# KiCad board PCBA-EN16.kicad_pcb
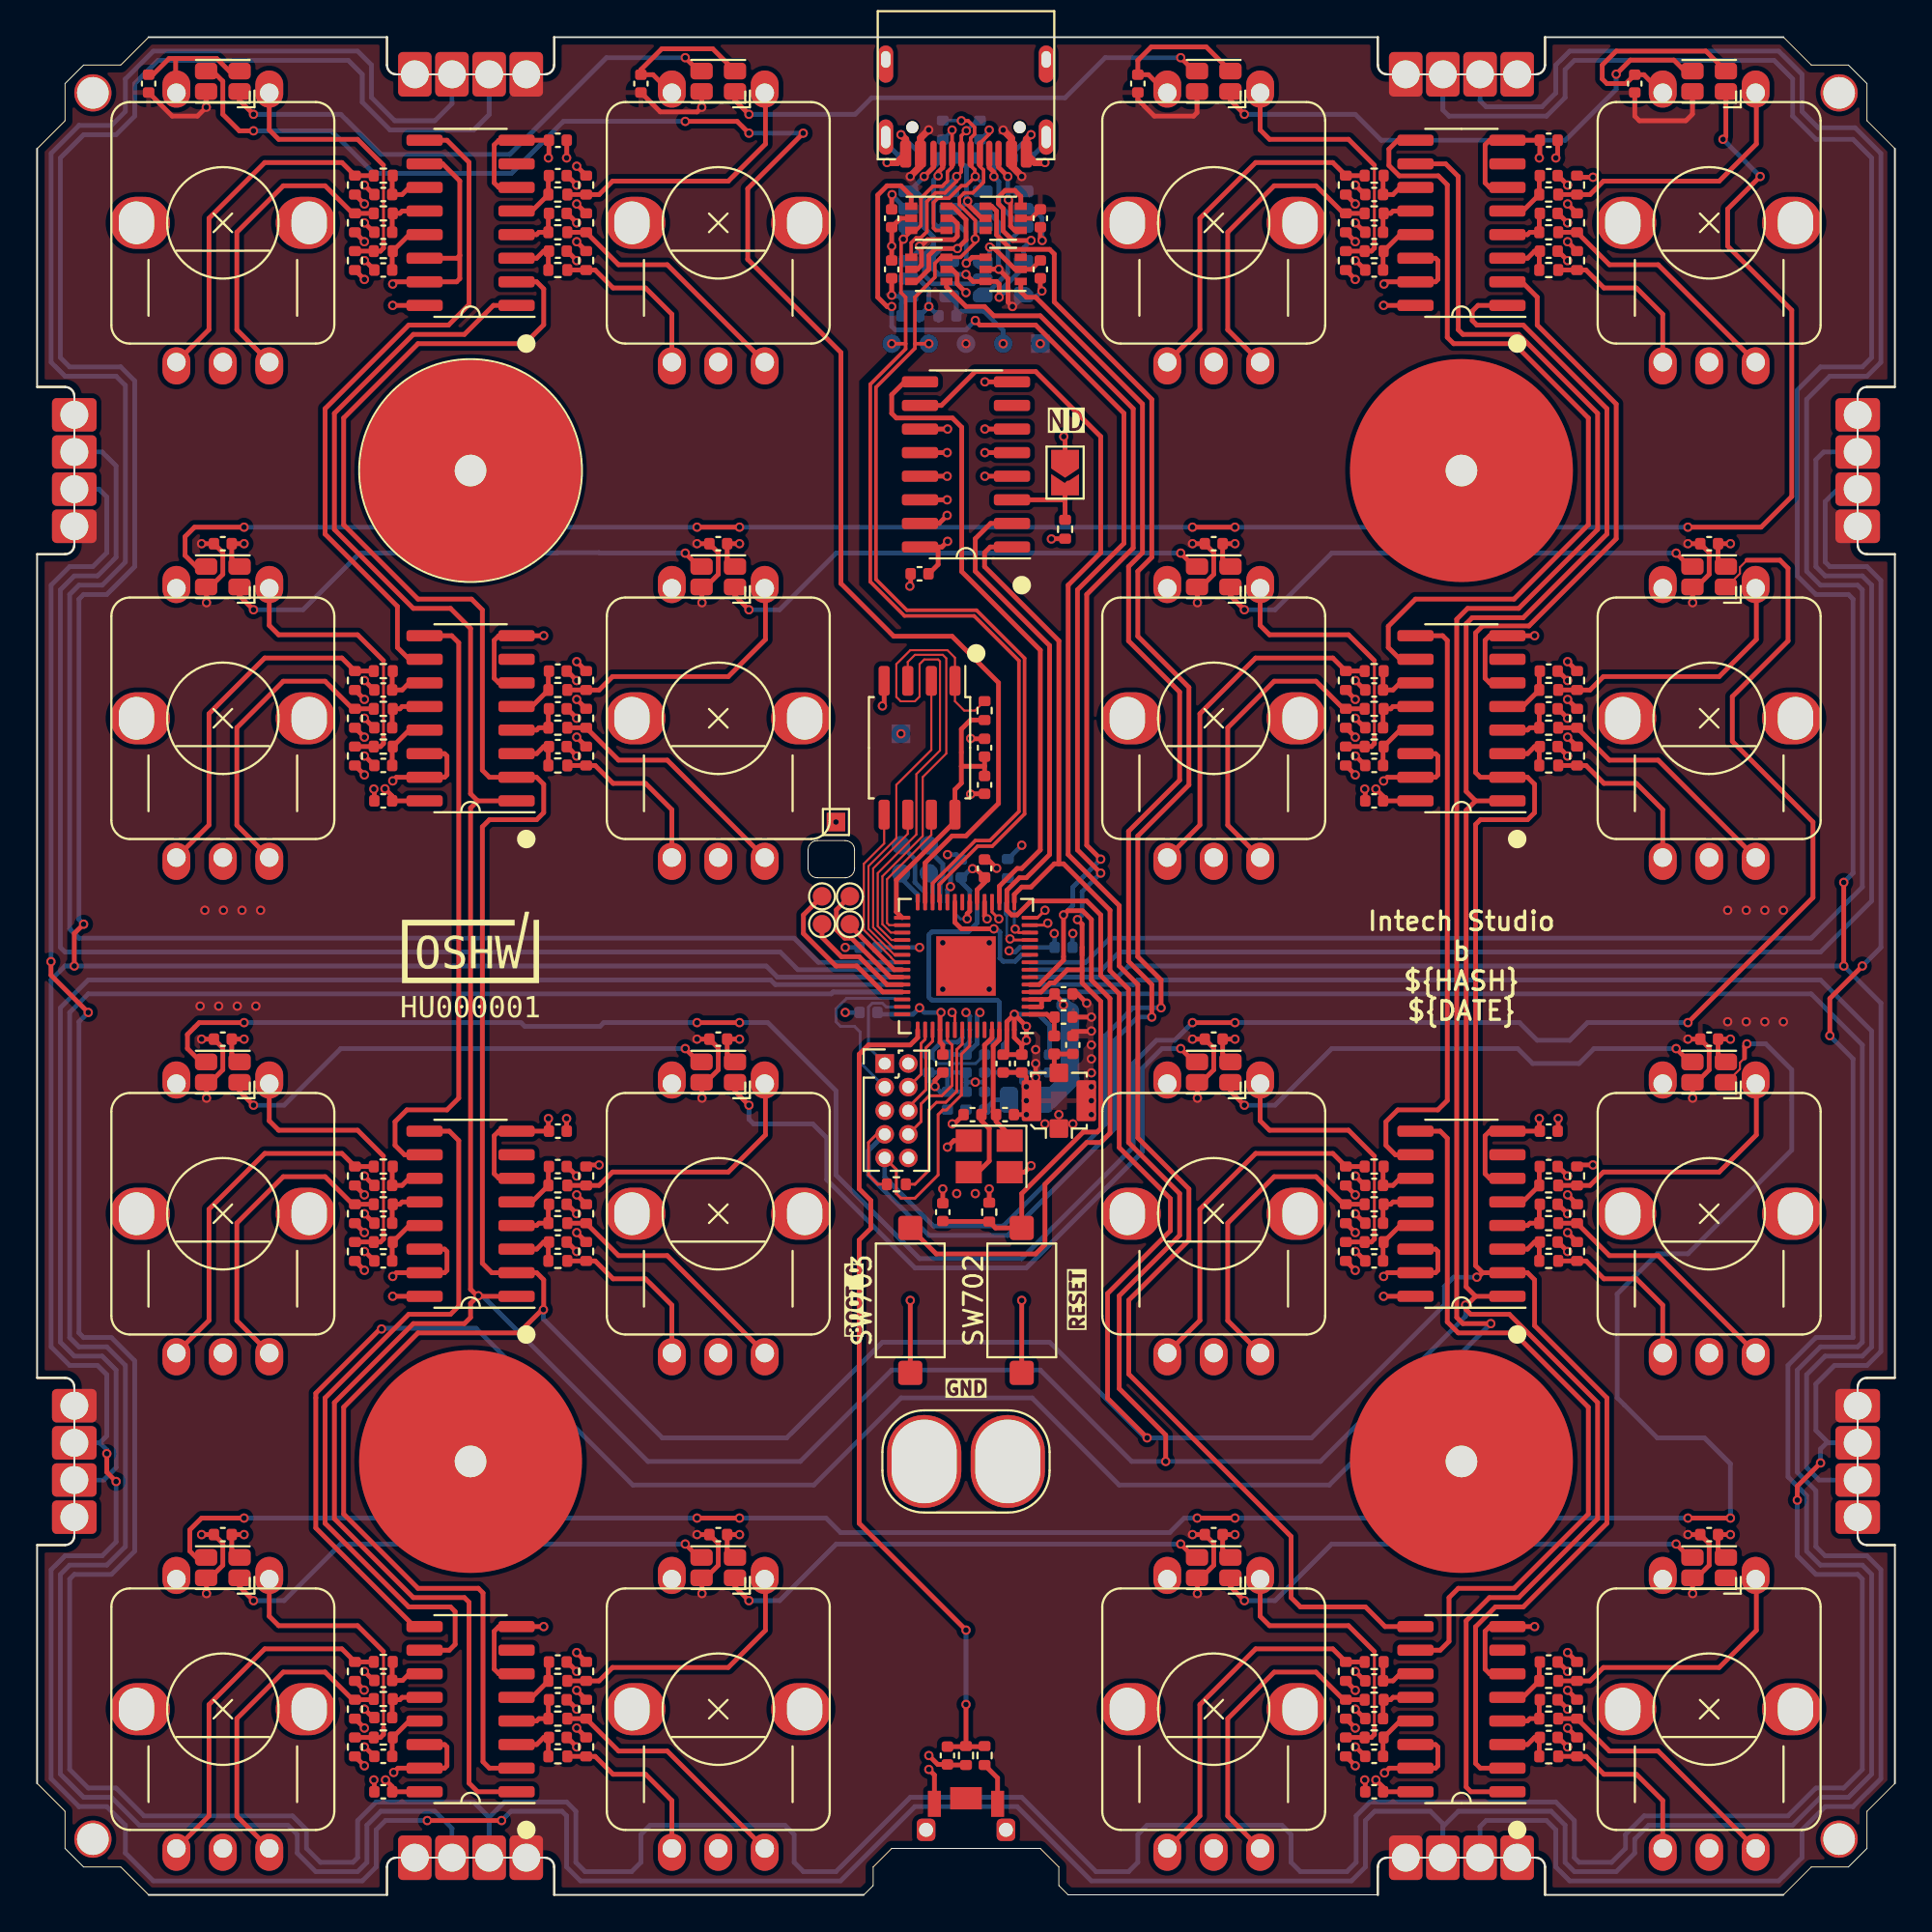
[diagram p0: board, top side]
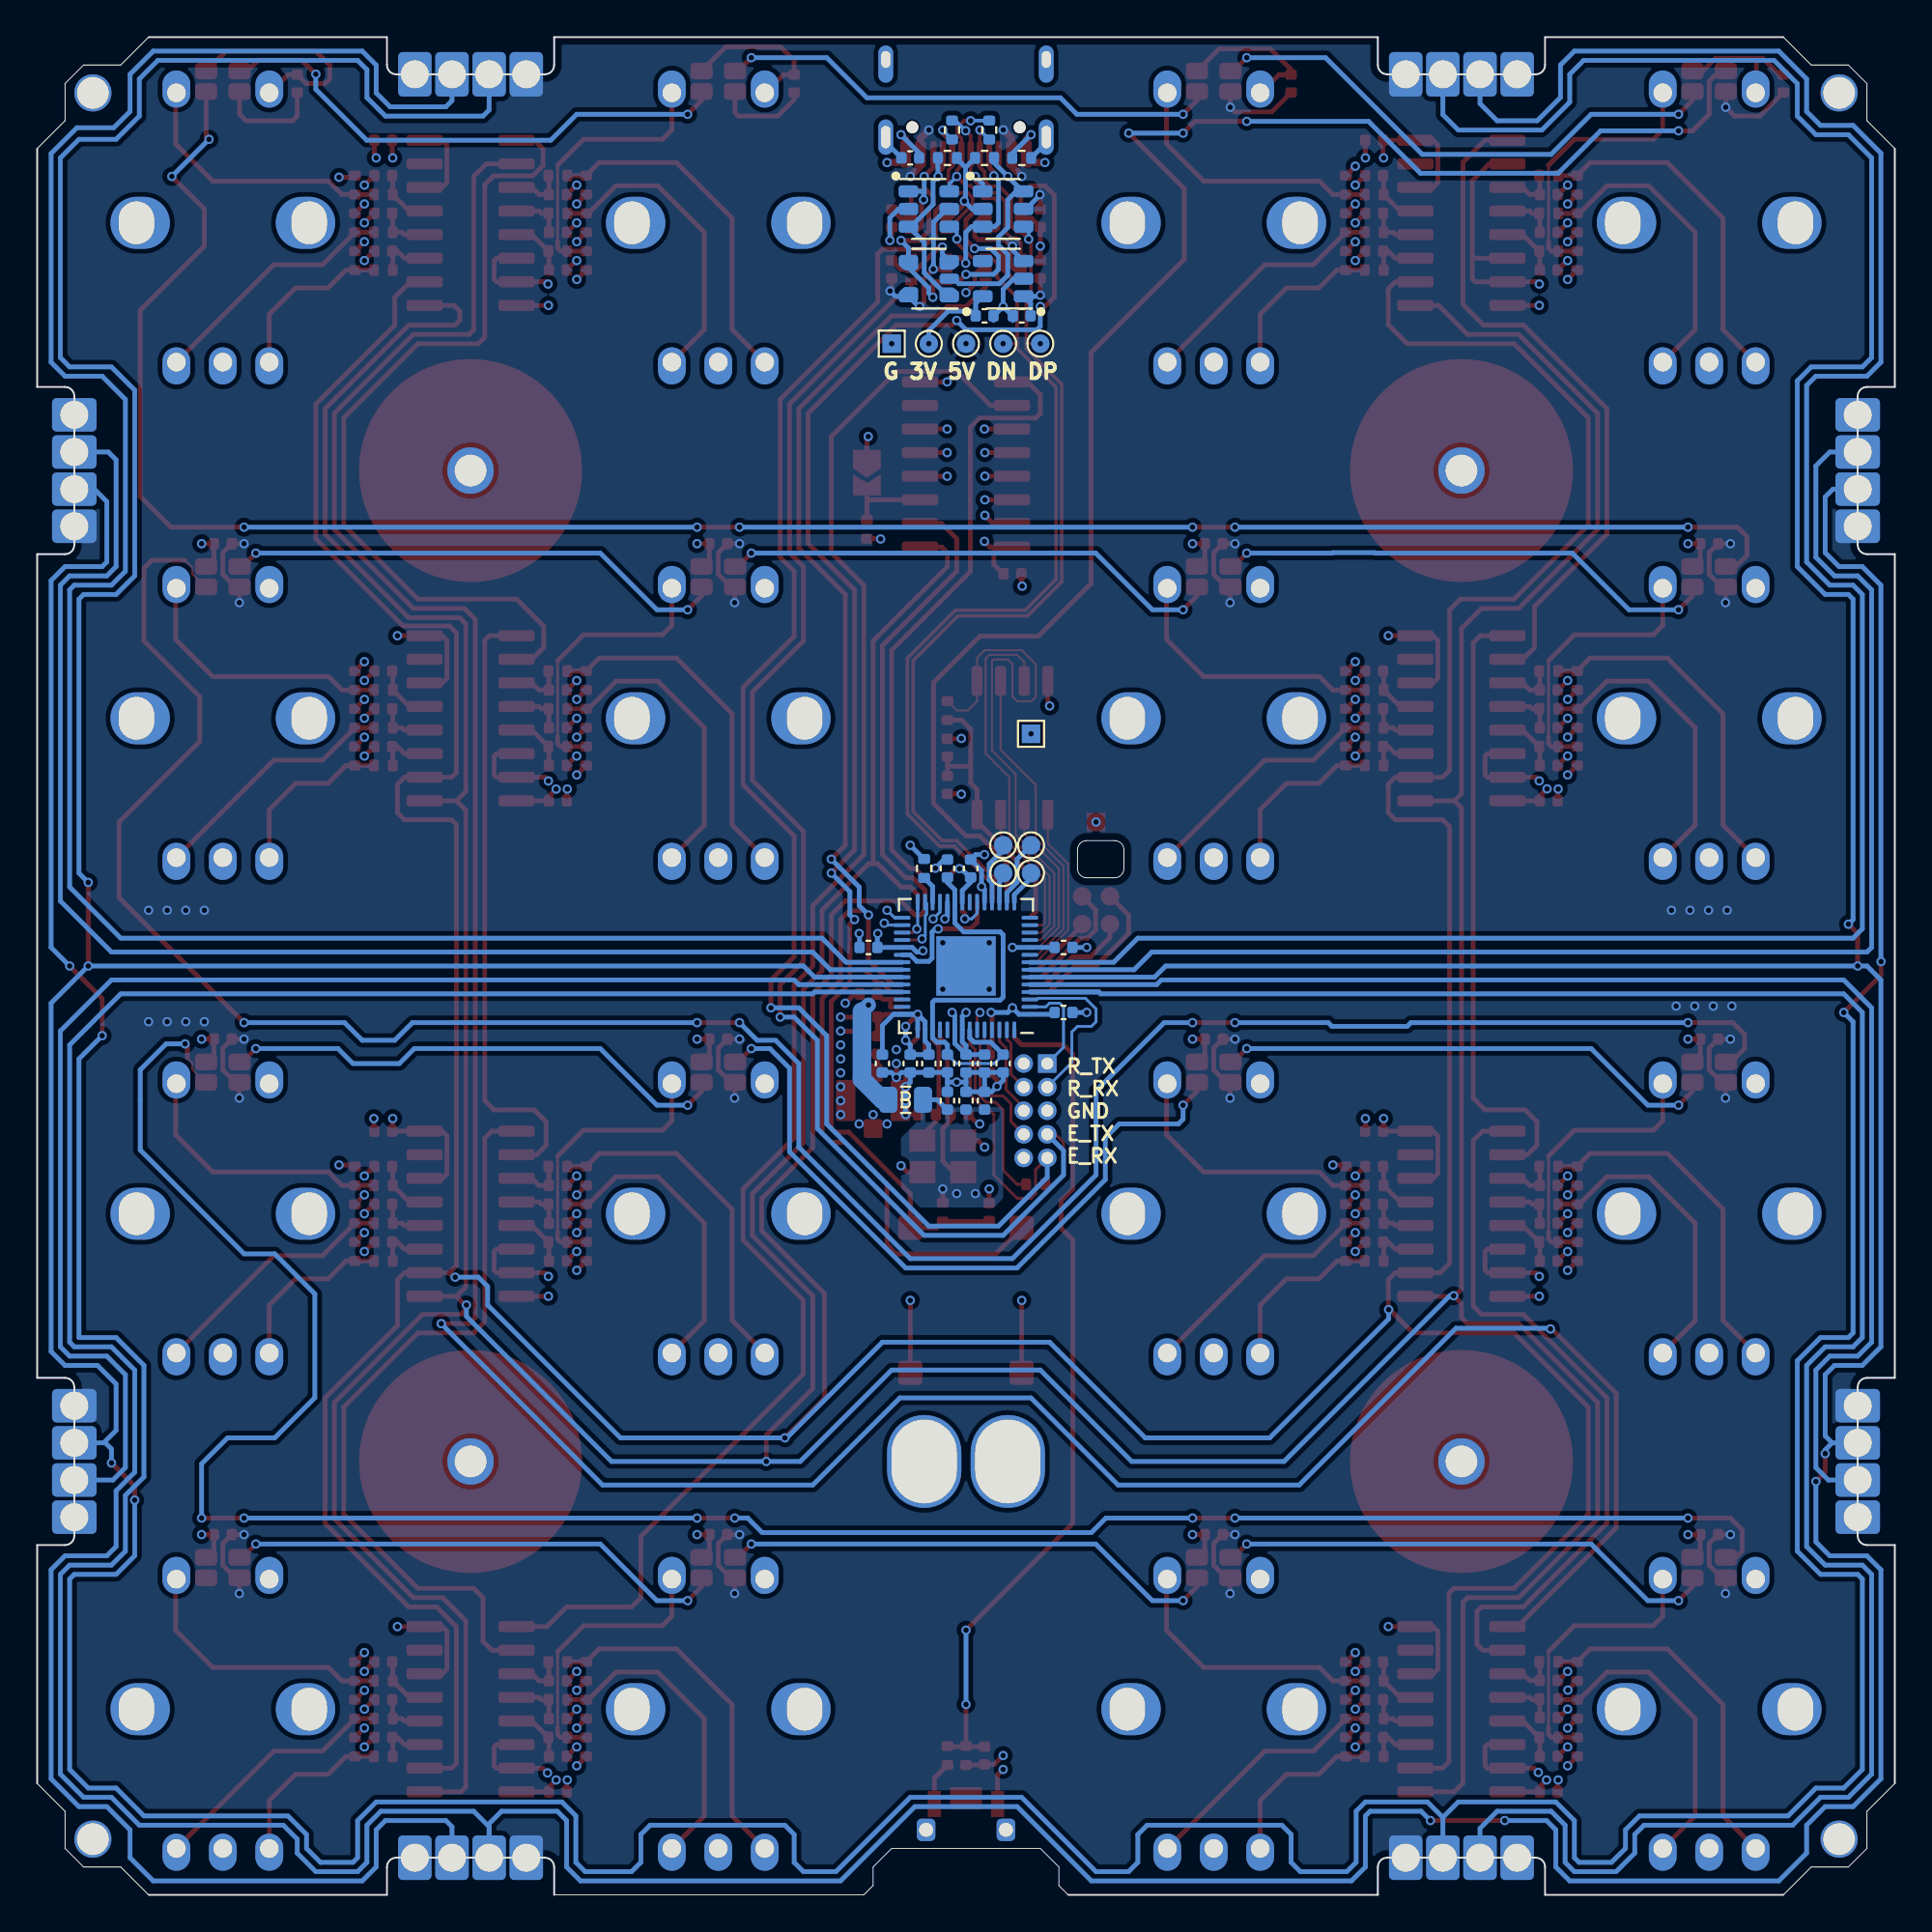
[diagram p1: board, bottom side, seen from below]

Outline 100 x 100 mm; copper layers: Top, In1.Cu, In2.Cu, Bottom. Coordinates in mm from the lower left corner of the outline.
Outline path: 0,94 1.5,95.5 1.5,97.5 2.5,98.5 4.5,98.5 6,100 18.83,100 18.83,98.5 arc(18.98,98.15) 19.33,98 27.33,98 arc(27.68,98.15) 27.83,98.5 27.83,100 72.17,100 72.17,98.5 arc(72.32,98.15) 72.67,98 80.67,98 arc(81.02,98.15) 81.17,98.5 81.17,100 94,100 95.5,98.5 97.5,98.5 98.5,97.5 98.5,95.5 100,94 100,81.17 98.5,81.17 arc(98.15,81.02) 98,80.67 98,72.67 arc(98.15,72.32) 98.5,72.17 100,72.17 100,27.83 98.5,27.83 arc(98.15,27.68) 98,27.33 98,19.33 arc(98.15,18.98) 98.5,18.83 100,18.83 100,6 98.5,4.5 98.5,2.5 97.5,1.5 95.5,1.5 94,0 81.17,0 81.17,1.5 arc(81.02,1.85) 80.67,2 72.67,2 arc(72.32,1.85) 72.17,1.5 72.17,0 55.5,0 55,0.5 55,1.5 54,2.5 46,2.5 45,1.5 45,0.5 44.5,0 27.83,0 27.83,1.5 arc(27.68,1.85) 27.33,2 19.33,2 arc(18.98,1.85) 18.83,1.5 18.83,0 6,0 4.5,1.5 2.5,1.5 1.5,2.5 1.5,4.5 0,6 0,18.83 1.5,18.83 arc(1.85,18.98) 2,19.33 2,27.33 arc(1.85,27.68) 1.5,27.83 0,27.83 0,72.17 1.5,72.17 arc(1.85,72.32) 2,72.67 2,80.67 arc(1.85,81.02) 1.5,81.17 0,81.17 0,94 ; 41.5,56.25 41.5,55.25 arc(41.65,54.9) 42,54.75 43.5,54.75 arc(43.85,54.9) 44,55.25 44,56.25 arc(43.85,56.6) 43.5,56.75 42,56.75 arc(41.65,56.6) 41.5,56.25
Stack: Top 0.035mm / dielectric 0.48mm FR4 er 4.5 / In1.Cu 0.035mm / dielectric 0.48mm FR4 er 4.5 / In2.Cu 0.035mm / dielectric 0.48mm FR4 er 4.5 / Bottom 0.035mm

## Placement (name value [footprint] x y rotation side)
C601  4n7  [CAP_0402]  53 93.5 180 bottom
C602  1u  [CAP_0402]  47 85 0 bottom
C603  1u  [CAP_0402]  49 85 0 bottom
C604  100n  [CAP_0402]  54 90.25 270 top
C605  100n  [CAP_0402]  46 90.25 270 top
C606  100n  [CAP_0402]  46 87.5 90 top
C607  100n  [CAP_0402]  54 87.5 90 top
C731  100n  [CAP_0402]  51 55.25 90 bottom
C732  100n  [CAP_0402]  48 44.75 270 bottom
C733  1u  [CAP_0402]  51 44.75 270 bottom
C734  1u  [CAP_0402]  52 44.75 270 bottom
C735  100n  [CAP_0402]  44.75 47.5 180 bottom
C736  100n  [CAP_0402]  44.75 51 180 bottom
C737  100n  [CAP_0402]  49.75 55.25 90 bottom
C738  100n  [CAP_0402]  55.25 51 0 bottom
C739  3p9  [CAP_0402]  55.75 45.75 90 top
C740  100n  [CAP_0402]  54.5 44.75 270 bottom
C741  100n  [CAP_0402]  53 44.75 270 bottom
C742  1p8  [CAP_0402]  55.25 47.25 0 top
C743  10u  [CAP_0402]  49 42.75 90 bottom
C744  100n  [CAP_0402]  49 44.75 270 bottom
C745  100n  [CAP_0402]  50 44.75 270 bottom
C746  1u  [CAP_0402]  50 42.75 90 bottom
C747  100n  [CAP_0402]  51 42.75 90 bottom
C748  10p  [CAP_0402]  52.1 42 0 top
C749  100n  [CAP_0402]  55.25 48.5 0 top
C750  10p  [CAP_0402]  50.35 42 180 top
C751  100n  [CAP_0402]  51 55.25 90 top
C752  100n  [CAP_0402]  48.75 44.75 270 top
C753  10n  [CAP_0402]  52 44.75 270 top
C754  1u  [CAP_0402]  53 44.75 270 top
C755  1u  [CAP_0402]  51 61.75 90 top
C756  100n  [CAP_0402]  51 59.75 270 top
C757  100n  [CAP_0402]  49 7.5 270 top
C758  1u  [CAP_0402]  48.75 36.75 90 top
C801  100n  [CAP_0402]  47.5 71.11 180 top
C901  100n  [CAP_0402]  6 97.5 270 top
C902  100n  [CAP_0402]  9.99 72.73 180 top
C903  100n  [CAP_0402]  9.99 46.06 180 top
C904  100n  [CAP_0402]  9.99 19.39 180 top
C905  100n  [CAP_0402]  32.5 97.5 270 top
C906  100n  [CAP_0402]  36.67 72.73 180 top
C907  100n  [CAP_0402]  36.67 46.06 180 top
C908  100n  [CAP_0402]  36.67 19.39 180 top
C909  100n  [CAP_0402]  59.25 97.5 270 top
C910  100n  [CAP_0402]  63.33 72.73 180 top
C911  100n  [CAP_0402]  63.33 46.06 180 top
C912  100n  [CAP_0402]  63.33 19.39 180 top
C913  100n  [CAP_0402]  86 97.5 270 top
C914  100n  [CAP_0402]  90 72.73 180 top
C915  100n  [CAP_0402]  90 46.06 180 top
C916  100n  [CAP_0402]  90 19.39 180 top
C1001  100n  [CAP_0402]  18.63 34.12 180 top
C1002  100n  [CAP_0402]  18.63 36.16 180 top
C1003  100n  [CAP_0402]  18.63 38.19 180 top
C1004  100n  [CAP_0402]  81.37 39.2 0 top
C1005  100n  [CAP_0402]  81.37 37.17 0 top
C1006  100n  [CAP_0402]  81.37 35.14 0 top
C1007  100n  [CAP_0402]  28.03 65.88 0 top
C1008  100n  [CAP_0402]  28.03 63.84 0 top
C1009  100n  [CAP_0402]  28.03 61.81 0 top
C1010  100n  [CAP_0402]  18.63 7.46 180 top
C1011  100n  [CAP_0402]  18.63 9.54 180 top
C1012  100n  [CAP_0402]  18.63 11.54 180 top
C1013  100n  [CAP_0402]  18.63 87.47 180 top
C1014  100n  [CAP_0402]  18.63 89.5 180 top
C1015  100n  [CAP_0402]  18.63 91.53 180 top
C1016  100n  [CAP_0402]  71.97 60.8 180 top
C1017  100n  [CAP_0402]  71.97 62.83 180 top
C1018  100n  [CAP_0402]  71.97 64.86 180 top
C1019  100n  [CAP_0402]  28.03 94.45 180 top
C1020  100n  [CAP_0402]  18.63 58.89 180 top
C1021  100n  [CAP_0402]  28.03 41.11 180 top
C1022  100n  [CAP_0402]  18.63 5.55 180 top
C1023  100n  [CAP_0402]  81.37 94.45 180 top
C1024  100n  [CAP_0402]  71.97 58.89 180 top
C1025  100n  [CAP_0402]  81.37 41.11 180 top
C1026  100n  [CAP_0402]  71.97 5.55 180 top
C1027  100n  [CAP_0402]  81.37 92.55 0 top
C1028  100n  [CAP_0402]  81.37 90.51 0 top
C1029  100n  [CAP_0402]  81.37 88.48 0 top
C1030  100n  [CAP_0402]  28.03 92.55 0 top
C1031  100n  [CAP_0402]  28.03 90.51 0 top
C1032  100n  [CAP_0402]  28.03 88.48 0 top
C1033  100n  [CAP_0402]  81.37 65.88 0 top
C1034  100n  [CAP_0402]  81.37 63.84 0 top
C1035  100n  [CAP_0402]  81.37 61.81 0 top
C1036  100n  [CAP_0402]  71.97 7.46 180 top
C1037  100n  [CAP_0402]  71.97 9.49 180 top
C1038  100n  [CAP_0402]  71.97 11.52 180 top
C1039  100n  [CAP_0402]  28.03 12.53 0 top
C1040  100n  [CAP_0402]  28.03 10.5 0 top
C1041  100n  [CAP_0402]  28.03 8.47 0 top
C1042  100n  [CAP_0402]  71.97 34.12 180 top
C1043  100n  [CAP_0402]  71.97 36.16 180 top
C1044  100n  [CAP_0402]  71.97 38.19 180 top
C1045  100n  [CAP_0402]  81.37 12.53 0 top
C1046  100n  [CAP_0402]  81.37 10.5 0 top
C1047  100n  [CAP_0402]  81.37 8.47 0 top
C1048  100n  [CAP_0402]  71.97 87.47 180 top
C1049  100n  [CAP_0402]  71.97 89.5 180 top
C1050  100n  [CAP_0402]  71.97 91.53 180 top
C1051  100n  [CAP_0402]  18.63 60.8 180 top
C1052  100n  [CAP_0402]  18.63 62.83 180 top
C1053  100n  [CAP_0402]  18.63 64.86 180 top
C1054  100n  [CAP_0402]  28.03 39.2 0 top
C1055  100n  [CAP_0402]  28.03 37.17 0 top
C1056  100n  [CAP_0402]  28.03 35.14 0 top
D901  XL-0807RGBC-2812B-S  [UI_LED_RGB_2020]  9.99 97.62 180 top
D902  XL-0807RGBC-2812B-S  [UI_LED_RGB_2020]  9.99 70.95 180 top
D903  XL-0807RGBC-2812B-S  [UI_LED_RGB_2020]  9.99 44.28 180 top
D904  XL-0807RGBC-2812B-S  [UI_LED_RGB_2020]  9.99 17.62 180 top
D905  XL-0807RGBC-2812B-S  [UI_LED_RGB_2020]  36.67 97.62 180 top
D906  XL-0807RGBC-2812B-S  [UI_LED_RGB_2020]  36.67 70.95 180 top
D907  XL-0807RGBC-2812B-S  [UI_LED_RGB_2020]  36.67 44.28 180 top
D908  XL-0807RGBC-2812B-S  [UI_LED_RGB_2020]  36.67 17.62 180 top
D909  XL-0807RGBC-2812B-S  [UI_LED_RGB_2020]  63.33 97.62 180 top
D910  XL-0807RGBC-2812B-S  [UI_LED_RGB_2020]  63.33 70.95 180 top
D911  XL-0807RGBC-2812B-S  [UI_LED_RGB_2020]  63.33 44.28 180 top
D912  XL-0807RGBC-2812B-S  [UI_LED_RGB_2020]  63.33 17.62 180 top
D913  XL-0807RGBC-2812B-S  [UI_LED_RGB_2020]  90 97.62 180 top
D914  XL-0807RGBC-2812B-S  [UI_LED_RGB_2020]  90 70.95 180 top
D915  XL-0807RGBC-2812B-S  [UI_LED_RGB_2020]  90 44.28 180 top
D916  XL-0807RGBC-2812B-S  [UI_LED_RGB_2020]  90 17.62 180 top
J501  Conn_01x04  [J_INTERFACE_SPRINGPATTERN]  23.33 100 0 top
J502  Conn_01x04  [J_INTERFACE_SPRINGPATTERN]  76.67 100 0 top
J503  Conn_01x04  [J_INTERFACE_SPRINGPATTERN]  100 76.67 270 top
J504  Conn_01x04  [J_INTERFACE_SPRINGPATTERN]  0 76.67 90 top
J505  Conn_01x04  [J_INTERFACE_SPRINGPATTERN]  100 23.33 270 top
J506  Conn_01x04  [J_INTERFACE_SPRINGPATTERN]  0 23.33 90 top
J507  Conn_01x04  [J_INTERFACE_SPRINGPATTERN]  23.33 0 180 top
J508  Conn_01x04  [J_INTERFACE_SPRINGPATTERN]  76.67 0 180 top
J601  TYPE-C-32-M-12  [USB_C_Korean_Hroparts_TYPE-C-31-M-12]  50 96.6 180 top
J701  C5137195  [U.FL_Molex_MCRF_73412-0110_Vertical]  55 42.75 180 top
J702  Conn_02x05_Odd_Even  [PinHeader_2x05_P1.27mm_Vertical]  45.62 44.75 0 top
J799  Conn_01x02  [OscilloscopeGround]  50 23.33 0 top
JP801  (NF)  [SolderJumper-2_P1.3mm_Open_TrianglePad1.0x1.5mm]  55.33 76.56 270 top
L701  1n8  [IND_0402]  54.75 45.75 90 top
L702  GZ2012D601TF  [FERRIT_0805]  53.25 42.8 180 bottom
LOGO701  -  [OSHWA]  23.33 50 0 top
M501  Conn_01x08  [grid_outline]  50 50 0 top
R501  1k  [RES_0402]  46.25 38.25 0 top
R601  1M  [RES_0402]  47 93.5 0 bottom
R602  5k1  [RES_0402]  51 93.5 180 bottom
R603  5k1  [RES_0402]  49 93.5 0 bottom
R604  0R  [RES_0402]  50.75 95 90 bottom
R605  0R  [RES_0402]  48.75 95 90 bottom
R701  5k1  [RES_0402]  50 7.5 90 top
R729  5k1  [RES_0402]  52.25 55.25 270 bottom
R734  5k1  [RES_0402]  51 63.75 90 top
R735  5k1  [RES_0402]  51.25 36.75 270 top
R736  1k  [RES_0402]  51 7.5 90 top
R801  5k1  [RES_0402]  55.33 73.51 270 top
R1001  10k  [RES_0402]  18.63 35.14 0 top
R1002  10k  [RES_0402]  17.11 34.63 90 top
R1003  5k1  [RES_0402]  17.11 36.67 90 top
R1004  5k1  [RES_0402]  17.11 38.7 90 top
R1005  5k1  [RES_0402]  18.63 37.17 180 top
R1006  5k1  [RES_0402]  18.63 39.2 180 top
R1007  10k  [RES_0402]  81.37 38.19 180 top
R1008  10k  [RES_0402]  82.89 38.7 270 top
R1009  5k1  [RES_0402]  82.89 36.67 270 top
R1010  5k1  [RES_0402]  82.89 34.63 270 top
R1011  5k1  [RES_0402]  81.37 36.16 0 top
R1012  5k1  [RES_0402]  81.37 34.12 0 top
R1013  10k  [RES_0402]  28.03 64.86 180 top
R1014  10k  [RES_0402]  29.55 65.37 270 top
R1015  5k1  [RES_0402]  29.55 63.33 270 top
R1016  5k1  [RES_0402]  29.55 61.3 270 top
R1017  5k1  [RES_0402]  28.03 62.83 0 top
R1018  5k1  [RES_0402]  28.03 60.8 0 top
R1019  10k  [RES_0402]  18.63 8.47 0 top
R1020  10k  [RES_0402]  17.11 7.96 90 top
R1021  5k1  [RES_0402]  17.11 10 90 top
R1022  5k1  [RES_0402]  17.11 12.03 90 top
R1023  5k1  [RES_0402]  18.63 10.54 180 top
R1024  5k1  [RES_0402]  18.63 12.54 180 top
R1025  10k  [RES_0402]  18.63 88.48 0 top
R1026  10k  [RES_0402]  17.11 87.97 90 top
R1027  5k1  [RES_0402]  17.11 90 90 top
R1028  5k1  [RES_0402]  17.11 92.04 90 top
R1029  5k1  [RES_0402]  18.63 90.51 180 top
R1030  5k1  [RES_0402]  18.63 92.55 180 top
R1031  10k  [RES_0402]  71.97 61.81 0 top
R1032  10k  [RES_0402]  70.45 61.3 90 top
R1033  5k1  [RES_0402]  70.45 63.33 90 top
R1034  5k1  [RES_0402]  70.45 65.37 90 top
R1035  5k1  [RES_0402]  71.97 63.84 180 top
R1036  5k1  [RES_0402]  71.97 65.88 180 top
R1037  10k  [RES_0402]  81.37 91.53 180 top
R1038  10k  [RES_0402]  82.89 92.04 270 top
R1039  5k1  [RES_0402]  82.89 90 270 top
R1040  5k1  [RES_0402]  82.89 87.97 270 top
R1041  5k1  [RES_0402]  81.37 89.5 0 top
R1042  5k1  [RES_0402]  81.37 87.47 0 top
R1043  10k  [RES_0402]  28.03 91.53 180 top
R1044  10k  [RES_0402]  29.55 92.04 270 top
R1045  5k1  [RES_0402]  29.55 90 270 top
R1046  5k1  [RES_0402]  29.55 87.97 270 top
R1047  5k1  [RES_0402]  28.03 89.5 0 top
R1048  5k1  [RES_0402]  28.03 87.47 0 top
R1049  10k  [RES_0402]  81.37 64.86 180 top
R1050  10k  [RES_0402]  82.89 65.37 270 top
R1051  5k1  [RES_0402]  82.89 63.33 270 top
R1052  5k1  [RES_0402]  82.89 61.3 270 top
R1053  5k1  [RES_0402]  81.37 62.83 0 top
R1054  5k1  [RES_0402]  81.37 60.8 0 top
R1055  10k  [RES_0402]  71.97 8.47 0 top
R1056  10k  [RES_0402]  70.45 7.96 90 top
R1057  5k1  [RES_0402]  70.45 10 90 top
R1058  5k1  [RES_0402]  70.45 12.03 90 top
R1059  5k1  [RES_0402]  71.97 10.5 180 top
R1060  5k1  [RES_0402]  71.97 12.53 180 top
R1061  10k  [RES_0402]  28.03 11.52 180 top
R1062  10k  [RES_0402]  29.55 12.03 270 top
R1063  5k1  [RES_0402]  29.55 10 270 top
R1064  5k1  [RES_0402]  29.55 7.96 270 top
R1065  5k1  [RES_0402]  28.03 9.49 0 top
R1066  5k1  [RES_0402]  28.03 7.46 0 top
R1067  10k  [RES_0402]  71.97 35.14 0 top
R1068  10k  [RES_0402]  70.45 34.63 90 top
R1069  5k1  [RES_0402]  70.45 36.67 90 top
R1070  5k1  [RES_0402]  70.45 38.7 90 top
R1071  5k1  [RES_0402]  71.97 37.17 180 top
R1072  5k1  [RES_0402]  71.97 39.2 180 top
R1073  10k  [RES_0402]  81.37 11.52 180 top
R1074  10k  [RES_0402]  82.89 12.03 270 top
R1075  5k1  [RES_0402]  82.89 10 270 top
R1076  5k1  [RES_0402]  82.89 7.96 270 top
R1077  5k1  [RES_0402]  81.37 9.49 0 top
R1078  5k1  [RES_0402]  81.37 7.46 0 top
R1079  10k  [RES_0402]  71.97 88.48 0 top
R1080  10k  [RES_0402]  70.45 87.97 90 top
R1081  5k1  [RES_0402]  70.45 90 90 top
R1082  5k1  [RES_0402]  70.45 92.04 90 top
R1083  5k1  [RES_0402]  71.97 90.51 180 top
R1084  5k1  [RES_0402]  71.97 92.55 180 top
R1085  10k  [RES_0402]  18.63 61.81 0 top
R1086  10k  [RES_0402]  17.11 61.3 90 top
R1087  5k1  [RES_0402]  17.11 63.33 90 top
R1088  5k1  [RES_0402]  17.11 65.37 90 top
R1089  5k1  [RES_0402]  18.63 63.84 180 top
R1090  5k1  [RES_0402]  18.63 65.88 180 top
R1091  10k  [RES_0402]  28.03 38.19 180 top
R1092  10k  [RES_0402]  29.55 38.7 270 top
R1093  5k1  [RES_0402]  29.55 36.67 270 top
R1094  5k1  [RES_0402]  29.55 34.63 270 top
R1095  5k1  [RES_0402]  28.03 36.16 0 top
R1096  5k1  [RES_0402]  28.03 34.12 0 top
SW701  C255807  [SW_HYP_MAPMODE]  50 3.8 180 top
SW702  C2905169  [SW_SPST_CK_RS282G05A3]  53 32 90 top
SW703  C2905169  [SW_SPST_CK_RS282G05A3]  47 32 90 top
TP601  GND  [TestPoint_Pad_1.0x1.0mm]  54 83.5 180 bottom
TP602  UI  [TestPoint_Pad_D1.0mm]  52 83.5 180 bottom
TP603  VB  [TestPoint_Pad_D1.0mm]  50 83.5 180 bottom
TP604  D-  [TestPoint_Pad_D1.0mm]  48 83.5 0 bottom
TP605  D+  [TestPoint_Pad_D1.0mm]  46 83.5 0 bottom
TP701  TestPoint  [TestPoint_Pad_D1.0mm]  46.5 55 180 bottom
TP702  TestPoint  [TestPoint_Pad_D1.0mm]  46.5 56.5 180 bottom
TP703  TestPoint  [TestPoint_Pad_D1.0mm]  48 55 180 bottom
TP704  TestPoint  [TestPoint_Pad_D1.0mm]  48 56.5 180 bottom
TP705  TestPoint  [TestPoint_Pad_1.0x1.0mm]  46.5 62.5 180 bottom
TP706  TestPoint  [TestPoint_Pad_D1.0mm]  43.75 53.75 0 top
TP707  TestPoint  [TestPoint_Pad_D1.0mm]  43.75 52.25 0 top
TP708  TestPoint  [TestPoint_Pad_D1.0mm]  42.25 53.75 0 top
TP709  TestPoint  [TestPoint_Pad_D1.0mm]  42.25 52.25 0 top
TP710  TestPoint  [TestPoint_Pad_1.0x1.0mm]  43 57.75 0 top
U601  LN1134A332MR-G  [SOT-23-5]  48 87 180 bottom
U602  C5451661  [SOT-23-6]  52 90.75 0 bottom
U603  C5451661  [SOT-23-6]  48 90.75 0 bottom
U604  74LVC1G08  [SOT-23-5-AND-TSSOP5]  52 87 180 bottom
U605  BL1551B  [SOT-363_SC-70-6]  52 87.5 180 top
U606  BL1551B  [SOT-363_SC-70-6]  52 90.25 0 top
U607  BL1551B  [SOT-363_SC-70-6]  48 87.5 180 top
U608  BL1551B  [SOT-363_SC-70-6]  48 90.25 0 top
U703  RP2040  [RP2040_QFN-56-1EP_7x7mm_P0.4mm_EP3.2x3.2mm]  50 50 90 bottom
U704  ESP32-S3  [QFN-56-1EP_7x7mm_P0.4mm_EP3.2x3.2mm]  50 50 180 top
U705  W25Q64JVSSIQ  [SOIC-8W_FLASH]  47.5 61.75 270 top
U801  74HC165  [SOIC-16_74HC165]  50 77 180 top
U1001  74HC165  [SOIC-16_74HC165]  23.33 90 180 top
U1002  74HC165  [SOIC-16_74HC165]  23.33 63.33 180 top
U1003  74HC165  [SOIC-16_74HC165]  23.33 36.66 180 top
U1004  74HC165  [SOIC-16_74HC165]  23.33 10 180 top
U1005  74HC165  [SOIC-16_74HC165]  76.67 90 180 top
U1006  74HC165  [SOIC-16_74HC165]  76.67 63.33 180 top
U1007  74HC165  [SOIC-16_74HC165]  76.67 36.67 180 top
U1008  74HC165  [SOIC-16_74HC165]  76.67 10 180 top
UI1001  ED1115S-20P-20C-13.5F/LAL/N=5/F=7  [UI_ENCODER_SONGHUEI]  9.99 36.67 0 top
UI1002  ED1115S-20P-20C-13.5F/LAL/N=5/F=7  [UI_ENCODER_SONGHUEI]  90 36.67 0 top
UI1003  ED1115S-20P-20C-13.5F/LAL/N=5/F=7  [UI_ENCODER_SONGHUEI]  36.67 63.33 0 top
UI1004  ED1115S-20P-20C-13.5F/LAL/N=5/F=7  [UI_ENCODER_SONGHUEI]  9.99 10 0 top
UI1005  ED1115S-20P-20C-13.5F/LAL/N=5/F=7  [UI_ENCODER_SONGHUEI]  9.99 90 0 top
UI1006  ED1115S-20P-20C-13.5F/LAL/N=5/F=7  [UI_ENCODER_SONGHUEI]  63.33 63.33 0 top
UI1007  ED1115S-20P-20C-13.5F/LAL/N=5/F=7  [UI_ENCODER_SONGHUEI]  90 90 0 top
UI1008  ED1115S-20P-20C-13.5F/LAL/N=5/F=7  [UI_ENCODER_SONGHUEI]  36.67 90 0 top
UI1009  ED1115S-20P-20C-13.5F/LAL/N=5/F=7  [UI_ENCODER_SONGHUEI]  90 63.33 0 top
UI1010  ED1115S-20P-20C-13.5F/LAL/N=5/F=7  [UI_ENCODER_SONGHUEI]  63.33 10 0 top
UI1011  ED1115S-20P-20C-13.5F/LAL/N=5/F=7  [UI_ENCODER_SONGHUEI]  36.67 10 0 top
UI1012  ED1115S-20P-20C-13.5F/LAL/N=5/F=7  [UI_ENCODER_SONGHUEI]  63.33 36.67 0 top
UI1013  ED1115S-20P-20C-13.5F/LAL/N=5/F=7  [UI_ENCODER_SONGHUEI]  90 10 0 top
UI1014  ED1115S-20P-20C-13.5F/LAL/N=5/F=7  [UI_ENCODER_SONGHUEI]  63.33 90 0 top
UI1015  ED1115S-20P-20C-13.5F/LAL/N=5/F=7  [UI_ENCODER_SONGHUEI]  9.99 63.33 0 top
UI1016  ED1115S-20P-20C-13.5F/LAL/N=5/F=7  [UI_ENCODER_SONGHUEI]  36.67 36.67 0 top
Y701  40MHz  [Crystal_SMD_Abracon_ABM8G-4Pin_3.2x2.5mm]  51.25 39.75 180 top

## Library data of the parts
C601-C607 C731-C758 C801 C901-C916 C1001-C1056 = -: ki_fp_filters: C_*
D901-D916 = -: ki_fp_filters: LED*WS2812*PLCC*5.0x5.0mm*P3.2mm*
J501-J508 J799 M501 = -: ki_fp_filters: Connector*:*_1x??_*
J701 = -: ki_fp_filters: *BNC* *SMA* *SMB* *SMC* *Cinch* *LEMO*
J702 = -: ki_fp_filters: Connector*:*_2x??_*
JP801 = -: ki_fp_filters: SolderJumper*Open*
L701 = -: ki_fp_filters: Choke_* *Coil* Inductor_* L_*
L702 = -: ki_fp_filters: Inductor_* L_* *Ferrite*
R501 R601-R605 R701 R729 R734-R736 R801 R1001-R1096 = -: ki_fp_filters: R_*
TP601-TP605 TP701-TP710 = -: ki_fp_filters: Pin* Test*
U601 = -: Datasheet: http://www.ti.com/lit/ds/symlink/tlv712.pdf; ki_fp_filters: SOT?23*
U602 U603 = -: Datasheet: http://www.onsemi.com/pub_link/Collateral/NUP4202W1-D.PDF; ki_fp_filters: SOT?363*
U604 = -: Datasheet: https://www.ti.com/lit/ds/symlink/sn74lvc1g08.pdf; Description: Single AND Gate, Low-Voltage CMOS; ki_fp_filters: SOT?23* Texas?R-PDSO-G5?DCK* Texas?R-PDSO-N5?DRL* Texas?X2SON*0.8x0.8mm*P0.48mm*
U605-U608 = -: Datasheet: https://datasheet.lcsc.com/lcsc/2201121900_BL-Shanghai-Belling-BL1551B_C2944066.pdf; Description: Single Analog Switch; ki_fp_filters: SOT* SC*
U703 = -: Datasheet: https://datasheets.raspberrypi.com/rp2040/rp2040-datasheet.pdf; ki_fp_filters: QFN*7x7mm?P0.4mm?EP3.2x3.2mm*
U704 = -: Datasheet: https://www.espressif.com/sites/default/files/documentation/esp32-s3_datasheet_en.pdf; ki_fp_filters: QFN*7x7mm?P0.4mm?EP3.2x3.2mm*
U705 = -: Datasheet: http://www.winbond.com/resource-files/w25q32jv%20revg%2003272018%20plus.pdf; ki_fp_filters: SOIC*5.23x5.23mm*P1.27mm*
U801 U1001-U1008 = -: Datasheet: http://www.ti.com/lit/ds/symlink/sn74hc595.pdf; ki_fp_filters: DIP*W7.62mm* SOIC*3.9x9.9mm*P1.27mm* TSSOP*4.4x5mm*P0.65mm* SOIC*5.3x10.2mm*P1.27mm* SOIC*7.5x10.3mm*P1.27mm*
UI1001-UI1016 = -: ki_fp_filters: RotaryEncoder*Switch*
Y701 = -: ki_fp_filters: Crystal*
